# Altium PCB Leptons PCB 2.PcbDoc
Units mil, origin at the board's own origin, x right, y up, seen from the top; angles counter-clockwise.
Board outline 3235 x 2045 mil, 2 copper layers (Top Layer, Bottom Layer); 21 components, 18 nets, 79 pads, 0 vias.
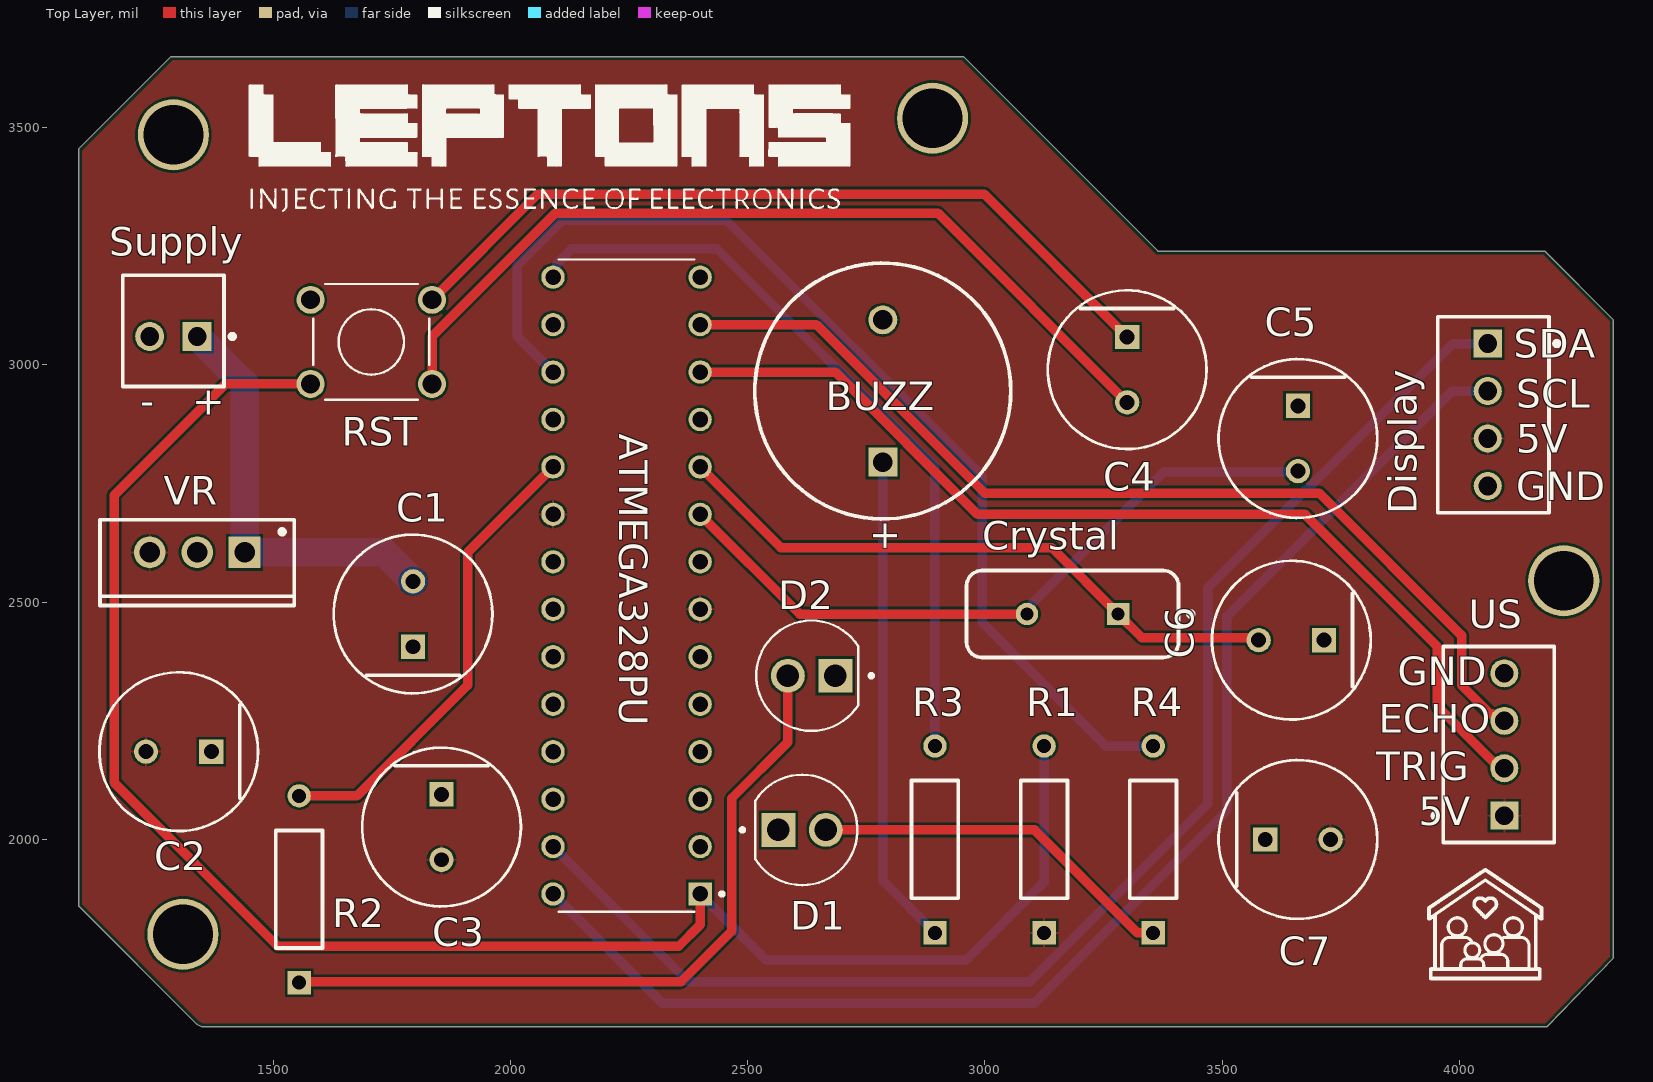
[diagram p0: Top Layer view]
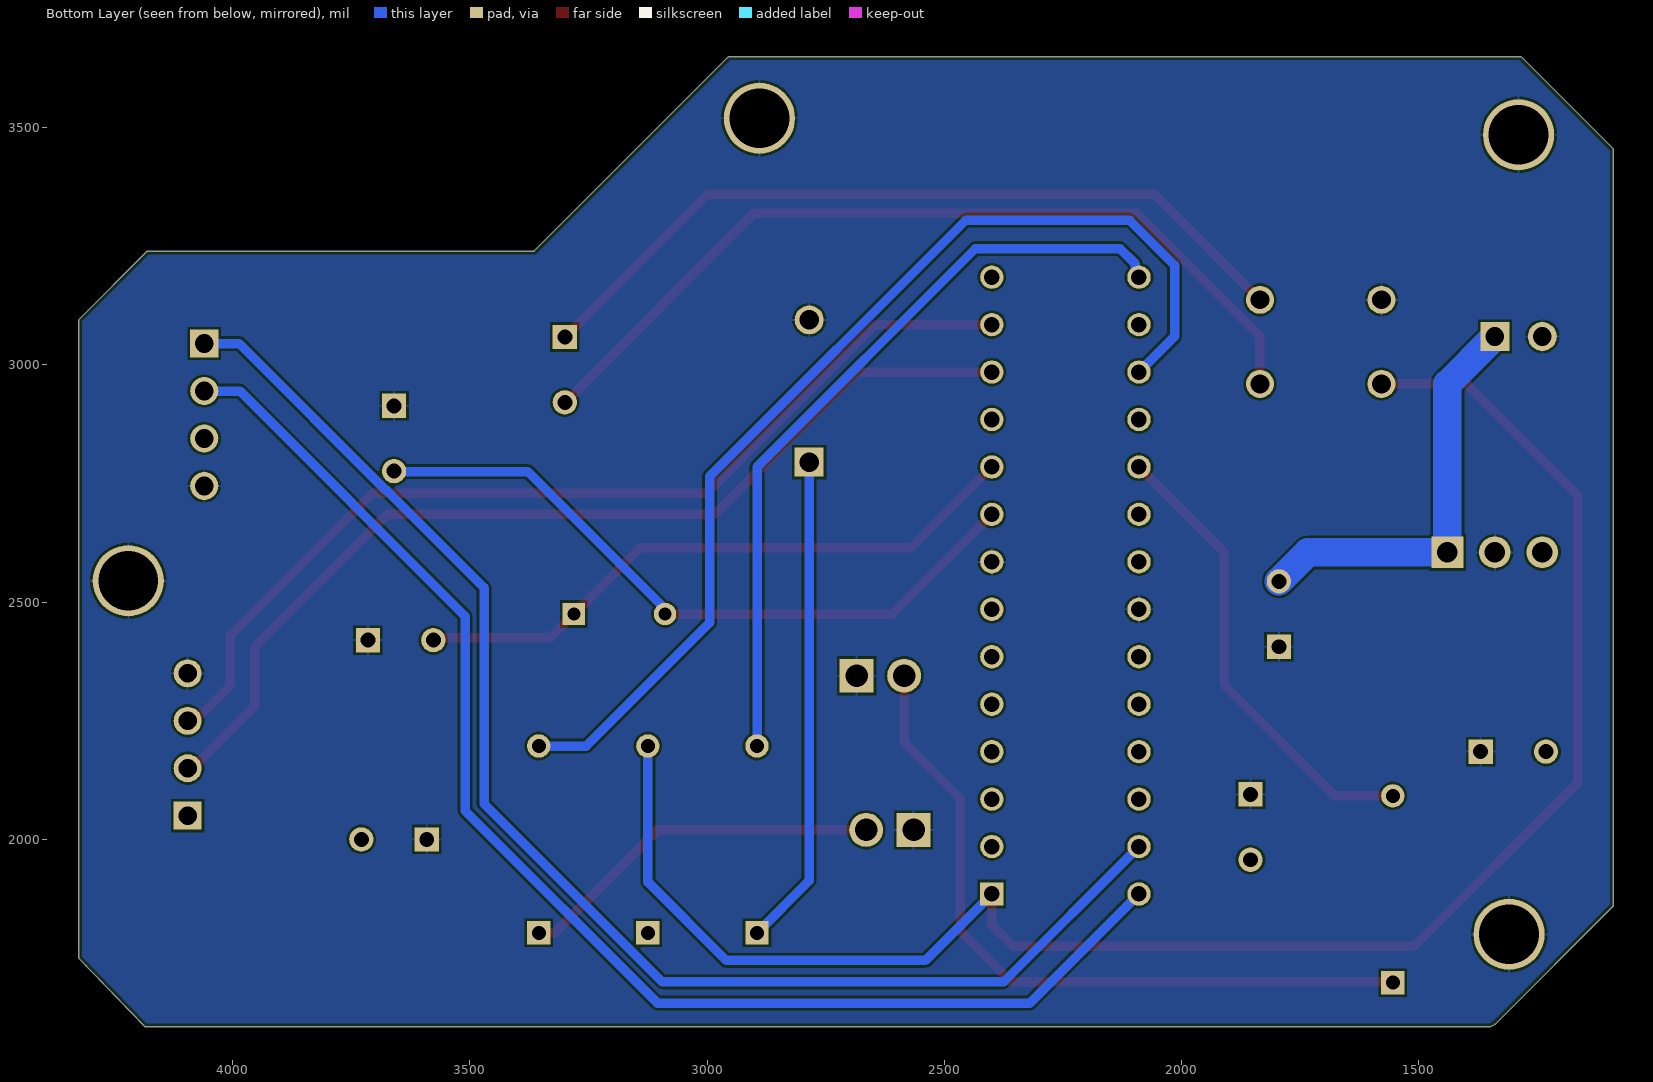
[diagram p1: Bottom Layer view, seen from below]
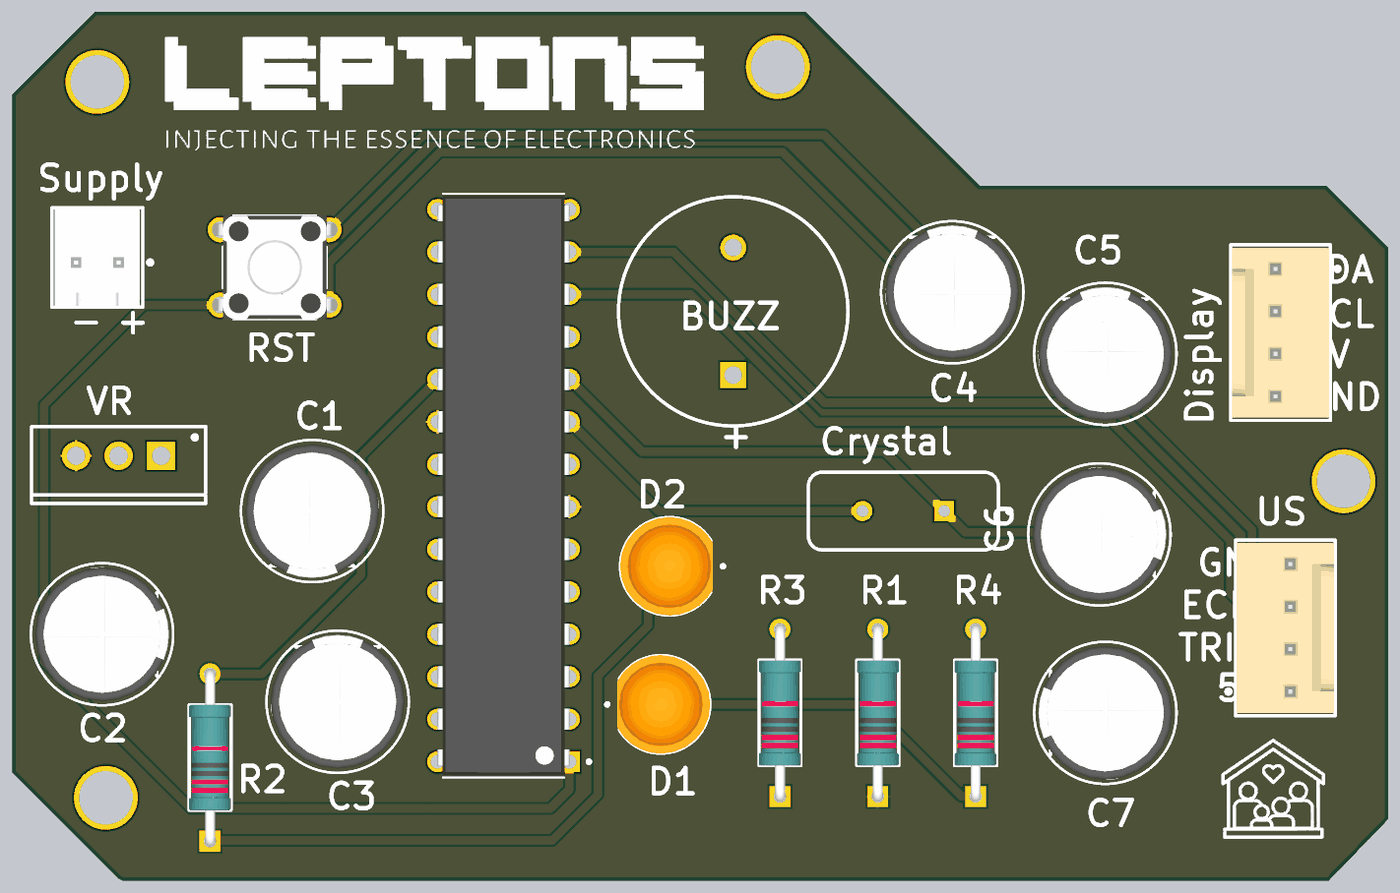
[diagram p2: 3D render of the assembled board from above, using the file's embedded part models]

## Layer stack, top to bottom
Top Solder: solder mask 0.4, Solder Resist, Dk 3.5
Top Layer: signal copper 1.4
Dielectric 1: dielectric 12.6, FR-4, Dk 4.8
Bottom Layer: signal copper 1.4
Bottom Solder: solder mask 0.4, Solder Resist, Dk 3.5

## Board outline
1090,1860 1340,1610 1350,1605 4185,1605 4325,1750 4325,3095 4180,3240 3365,3240 2955,3650 1285,3650 1090,3455

## Design rules (kind name [scope] priority, off if disabled: settings)
BoardOutlineClearance [All] p1: gap=7.87 ignorepadtopadclearanceinfootprint=FALSE
Clearance [All] p1: gap=5 ignorepadtopadclearanceinfootprint=FALSE except(9.84: Arc-Hole Track-Hole SMDPad-Hole THPad-Hole Via-Hole Fill-Hole Poly-Hole Region-Hole Text-Hole)
ComponentClearance [All] p1: gap=5 collisioncheckmode=3 verticalgap=5 showdistances=TRUE
DiffPairsRouting [All] p1: maxlimit=10 minlimit=5 mostfreqgap=5 toplayer_minwidth=5 toplayer_maxwidth=1000 toplayer_prefwidth=5 bottomlayer_minwidth=5 bottomlayer_maxwidth=1000 bottomlayer_prefwidth=5 maxuncoupledlength=500
Height [All] p1: minheight=0 maxheight=71497.94 prefheight=500
HoleSize [All] p1: absolutevalues=TRUE maxlimit=248.03 minlimit=11.81 maxpercent=80.000 minpercent=20.000
HoleToHoleClearance [All] p1: gap=9.84 allowstackedmicrovias=FALSE
MinimumAnnularRing [All] p1: minimumring=3
MinimumSolderMaskSliver [All] p1: minsoldermaskwidth=0
PlaneClearance [All] p1: clearance=5
PlaneConnect PlaneConnectPowerPads [InPadClass('PowerPads')] p1: planeconnectstyle=Direct reliefexpansion=20 reliefentries=4 reliefconductorwidth=10 reliefairgap=10
PlaneConnect [All] p2: pad.planeconnectstyle=Relief pad.reliefexpansion=11.81 pad.reliefentries=4 pad.reliefconductorwidth=5 pad.reliefairgap=5 via.planeconnectstyle=Direct via.reliefexpansion=11.81 via.reliefentries=4 via.reliefconductorwidth=5 via.reliefairgap=5
PolygonConnect PolygonConnectPowerPads [All vs (InPadClass('PowerPads'))] p1: connectstyle=Direct reliefconductorwidth=10 reliefentries=4 polygonreliefangle="90 Angle" airgapwidth=10
PolygonConnect [All] p2: thpad.connectstyle=Relief thpad.reliefconductorwidth=5 thpad.reliefentries=4 thpad.polygonreliefangle="90 Angle" thpad.airgapwidth=5 smdpad.connectstyle=Relief smdpad.reliefconductorwidth=5 smdpad.reliefentries=4 smdpad.polygonreliefangle="90 Angle" smdpad.airgapwidth=5 via.connectstyle=Direct via.reliefconductorwidth=5 via.reliefentries=4 via.polygonreliefangle="90 Angle" via.airgapwidth=5
RoutingVias [All] p1: holewidth=11.81 width=23.62 viastyle="Through Hole" minholewidth=11.81 minwidth=23.62 maxholewidth=23.62 maxwidth=259.84
SilkToSilkClearance [All] p1: silktosilkclearance=0
SilkToSolderMaskClearance [IsPad] p1: minsilkscreentomaskgap=5 clearancetoexposedcopper=TRUE
SolderMaskExpansion [All] p1: expansion=2.95 istentingtop=FALSE
Width [All] p1: maxlimit=1000 minlimit=5 preferedwidth=5 minimp=50.000000 maximp=50.000000 favimp=50.000000
20 further rules are at their usual default settings.

## Components (designator, comment, footprint, x,y, rotation, side; value= is the part's Value field where it differs from the comment)
ATMEGA328PU "ATMEGA328-PU" DIP787W46P254L3467H508Q28 2245,2535 r180 top
BUZZ "KPEG242" KINGS-KPEG242-2 2785,2945 r90 top
C1 "EEUFR1E391L" FP-RAD-TH-D_8_0_5-L_15_1-MFG 1795,2475 r90 top
C2 "EEUFR1E391L" FP-RAD-TH-D_8_0_5-L_15_1-MFG 1301.1,2185 r180 top
C3 "EEUFR1E391L" FP-RAD-TH-D_8_0_5-L_15_1-MFG 1855,2026.1 r270 top
C4 "EEUFR1E391L" FP-RAD-TH-D_8_0_5-L_15_1-MFG 3300,2990 r270 top
C5 "EEUFR1E391L" FP-RAD-TH-D_8_0_5-L_15_1-MFG 3660,2845 r270 top
C6 "EEUFR1E391L" FP-RAD-TH-D_8_0_5-L_15_1-MFG 3646.1,2420 r180 top
C7 "EEUFR1E391L" FP-RAD-TH-D_8_0_5-L_15_1-MFG 3660,2000 r0 top
Crystal "FOXSLF/160-20" FOX-FOXSLF160-20 3185,2475 r180 top
D1 "L08R5000Q1" LEDRD254W57D500H1070 2635,2345 r180 top
D2 "L08R5000Q1" LEDRD254W57D500H1070 2615,2020 r0 top
Display "61900411121" 61900411121 4071.81,2895 r90 top
R1 "MBB02070C1002FCT00" FP-MBB0207-MFG 3125,2000 r90 top
R2 "MBB02070C1002FCT00" FP-MBB0207-MFG 1555,1895 r90 top
R3 "MBB02070C1002FCT00" FP-MBB0207-MFG 2895,2000 r90 top
R4 "MBB02070C1002FCT00" FP-MBB0207-MFG 3355,2000 r90 top
RST "430186070716" 430186070716 1707.05,3048.58 r180 top
Supply "61900211121" FP-61900211121-MFG 1290,3071.81 r180 top
US "61900411121" 61900411121 4083.19,2200 r270 top
VR "L7805CV" TO220 1340,2605 r180 top

## Footprints (in the part's own frame and the unit in brackets; to place one, negate y for a bottom-side part, rotate by r counter-clockwise, add the part's x,y. Pads: shape width x height; smd on the part's side, far side on the other; paste and mask are expansions set on the pad)
61900411121 [mm] "2.54mm Male Locking Header, 4p"
  rect 1.5x1.5 hole 1: 1(3.81,0.3)
  round 1.5 hole 1: 2(1.27,0.3) 3(-1.27,0.3) 4(-3.81,0.3)
  silkscreen extent -5.25,-3.52 5.25,2.98, body extent -5.08,-2.9 5.08,2.9, height 11.53
430186070716 [mm] "6*6mm vertical type, THT, height 7.0mm, black actuator, 160gf, Bulk"
  round 1.5 hole 1: 1(-3.25,2.25) 2(-3.25,-2.25) 3(3.25,2.25) 4(3.25,-2.25)
  silkscreen extent -3.1,-3.1 3.1,3.1, body extent -3.95,-3.1 3.95,3.1, height 7.01
DIP787W46P254L3467H508Q28 [mm]
  rect 1.25x1.25 / inner round 1.25 / far side rect 1.25x1.25 hole 0.83: 1(-3.937,16.51)
  round 1.25 hole 0.83: 2(-3.937,13.97) 3(-3.937,11.43) 4(-3.937,8.89) 5(-3.937,6.35) 6(-3.937,3.81) 7(-3.937,1.27) 8(-3.937,-1.27) 9(-3.937,-3.81) 10(-3.937,-6.35) 11(-3.937,-8.89) 12(-3.937,-11.43) 13(-3.937,-13.97) 14(-3.937,-16.51) 15(3.937,-16.51) 16(3.937,-13.97) 17(3.937,-11.43) 18(3.937,-8.89) 19(3.937,-6.35) 20(3.937,-3.81) 21(3.937,-1.27) 22(3.937,1.27) 23(3.937,3.81) 24(3.937,6.35) 25(3.937,8.89) 26(3.937,11.43) 27(3.937,13.97) 28(3.937,16.51)
  silkscreen extent -5.2,-17.45 3.62,17.45, body extent -3.95,-17.34 3.95,17.34, height 4.57
FOX-FOXSLF160-20 [mm] "THD, 2-Leads, Body 11.35x4.65mm"
  rect 1.2x1.2 hole 0.7: 1(-2.44,0)
  round 1.2 hole 0.7: 2(2.44,0)
  silkscreen extent -6.45,-2.32 5.68,2.32, body extent -5.67,-2.32 5.68,2.33, height 3.6
FP-61900211121-MFG [mm]
  rect 1.55x1.55 hole 1 paste-1000 mask+0: 1(-1.27,0.3)
  round 1.55 hole 1 paste-1000 mask+0: 2(1.27,0.3)
  silkscreen extent -3.27,-2.98 2.71,2.98, body extent -2.81,-3.08 2.81,3.08, height 0.25
FP-MBB0207-MFG [mm]
  rect 1.25x1.25 hole 0.75 paste-1000 mask+0: 1(-5,0)
  round 1.25 hole 0.75 paste-1000 mask+0: 2(5,0)
  silkscreen extent -3.15,-1.25 3.15,1.25, body extent -5.72,-1.35 5.72,1.35, height 0.25
FP-RAD-TH-D_8_0_5-L_15_1-MFG [mm]
  rect 1.3x1.3 hole 0.8 paste-1000 mask+0: 1(-1.75,0)
  round 1.3 hole 0.8 paste-1000 mask+0: 2(1.75,0)
  silkscreen extent -4.25,-4.25 4.25,4.25, body extent -4.35,-4.35 4.35,4.35, height 0.25
KINGS-KPEG242-2 [mm] "THD, 2-Leads, Dia 13.7mm, Pitch 7.62mm"
  rect 1.55x1.55 hole 1.05: 1(-3.81,0)
  round 1.55 hole 1.05: 2(3.81,0)
  silkscreen extent -6.85,-6.85 6.85,6.85, body extent -6.85,-6.85 6.85,6.85, height 7.6
LEDRD254W57D500H1070 [mm]
  round 1.815 hole 1.21: A(1.27,0)
  rect 1.815x1.815 / inner round 1.815 / far side rect 1.815x1.815 hole 1.21: C(-1.27,0)
  silkscreen extent -3.3,-2.96 2.96,2.96, body extent -2.6,-2.95 2.95,2.95, height 9.1
TO220 [mm] "TO, Thru-Hole, Vertical, Heatsink Mounted; 3 In-Line Leads; Pitch 2.54 mm"
  rect 1.7x1.7 hole 1.1: 1(-2.54,0)
  round 1.7 hole 1.1: 2(0,0) 3(2.54,0)
  silkscreen extent -5.2,-1.75 5.2,2.85, body extent -5.25,-1.8 5.25,2.9, height 19.7

## Part data
ATMEGA328PU: "AVR AVRÂ® ATmega Microcontroller IC 8-Bit 20MHz 32KB (16K x 16) FLASH 28-PDIP", Package="DIP-28 Microchip Technology", Availability="In Stock", Check_prices=https://www.snapeda.com/parts/ATMEGA328-PU/Microchip/view-part/?ref=eda, MF=Microchip, MP=ATMEGA328-PU, Price=None, Purchase-URL=https://pricing.snapeda.com/search/part/ATMEGA328-PU/?ref=eda, SnapEDA_Link=https://www.snapeda.com/parts/ATMEGA328-PU/Microchip/view-part/?ref=snap
BUZZ: library part CMP-2000-06518-1, "Piezo Indicator, 4100 Hz, 3 to 16 V, -20 to 70 degC, 2-Pin THD, RoHS", Current - Max=7A, Frequency Range=3600to4600Hz, Manufacturer=KingstateElectronicsCorp., Maximum Resonant Frequency=4600Hz, Maximum Supply Current=7mA, Operating temperature=-20to70°C, Package Description="2-Pin Through Hole Device, Body Dia 13.7 mm, Pitch 7.62 mm", PartNumber=KPE-242, Typical Operating Supply Voltage=12Vdc, Category=AudioIndicatorsandAlerts, Datasheet URL=https://datasheet.ciiva.com/11776/0900766b8068f3a2-11776713.pdf, Datasheet Version=01/2006, Manufacturer URL=http://www.kingstate.com.tw/index.php/en/, Minimum Sound Pressure=70dBA, Mounting=ThroughHole, Mounting Technology=ThroughHole, Package Reference=KPEG242, Product Diameter=13.7mm, Product Height=7.6mm, Technology=Piezo, Termination Method=Pin, Tone Mode=Continuous, Type=Indicator
C1 C2 C3 C4 C5 C6 C7: library part CMP-05427-000460-1, "Aluminum Electrolytic Capacitors (Radial Lead Type) 390uF ±20% 25V", Capacitance=390uF, Case/Package=Radial, Dielectric Material=Aluminium, ESR (Equivalent Series Resistance)=41mR, Max Operating Temperature=105°C, Min Operating Temperature=-40°C, Package Quantity=200, Ripple Current=1.24A, Tolerance=20%, Voltage=25V, Construction=RADIAL, Diameter=8mm, Height=15mm, Height - Seated (Max)=0.65inch, Impedance=41mR, Lead Diameter=0.6mm, Lead Pitch=3.5mm, Length=15mm, Life (Hours)=8000Hour, Mount="Through Hole", Number of Pins=2, Packaging=Bulk, Radiation Hardening=No, REACH SVHC="No SVHC", Ripple Current (AC)=1.24A, RoHS Compliant=Yes, Series=FR, Termination=Radial, Voltage Rating=25V, Voltage Rating (DC)=25V
Crystal: library part CMP-1749-00003-1, "Resistance Weld Thru-Hole Crystal, 16 MHz, -20 to 70 degC, 2-Pin THD, RoHS, Bulk", Case\Package=Axial, Max Operating Temperature="155 degC", Min Operating Temperature="-55 degC", Package Quantity=200, Power Rating="250 mW", Resistance="221 kohm", Tolerance=1%, Voltage Rating="250 V", ComponentLink1Description="Manufacturer URL", ComponentLink1URL=http://www.foxonline.com/, ComponentLink2Description=Datasheet, ComponentLink2URL=http://www.foxonline.com/pdfs/hc49slf.pdf, DatasheetVersion=Mar-15, Length="0.248 inch", Mount="Through Hole", PackageDescription="2-Pin Through Hole Device, Body 11.35 x 4.65 mm", PackageReference=FOXSLF160-20, Packaging=Bulk, RoHSCompliant=true
D1 D2: "LED, 5MM, ORANGE; LED / Lamp Size: 5mm / T-1 3/4; LED Colour: Orange; Typ Luminous Intensity: 4.3mcd; Viewing Angle: ...", Package=None, Availability="In Stock", Check_prices=https://www.snapeda.com/parts/L08R5000Q1/LED+Technology/view-part/?ref=eda, MF="LED Technology", MP=L08R5000Q1, Price=None, SnapEDA_Link=https://www.snapeda.com/parts/L08R5000Q1/LED+Technology/view-part/?ref=snap
Display US: library part CMP-1502-00586-1, "Male Locking Header WR-WTB, THT, Vertical, pitch 2.54 mm, 1 x 4 position", Contact Resistance=20mOhm, Manufacturer="Wurth Elektronik", Operating temperature=-40to105degC, Working Voltage=250VAC, Datasheet URL=https://katalog.we-online.de/em/datasheet/6190xx11121.pdf, Gender=Male, Manufacturer URL=http://www.we-online.de, Mounting Technology=THT, Orientation=Vertical, Package Reference=61900411121, Packaging=Bag, Part Number=61900411121, Pitch=2.54mm, Position=1x4, Publisher=WurthElektronik
R1 R2 R3 R4: library part CMP-02408-000035-1, "RES 10K OHM 0.6W 1% AXIAL", Case/Package=Conformal, Max Operating Temperature=155°C, Max Power Dissipation=600mW, Min Operating Temperature=-55°C, Resistance=10kR, Resistance Tolerance=1%, Resistor Type="Metal Film", Temperature Coefficient=50ppm/°C, Voltage Rating=300V, Construction=Cylindrical, Contact Plating=Tin, Diameter=2.5mm, Features="Automotive AEC-Q200", Lead Free="Lead Free", Length=6.5mm, Military Standard=Not, Number of Terminations=2, Packaging="Tape and Reel", Power Rating=600mW, Radiation Hardening=No, RoHS Compliant=Yes, Series="MBB 0207 - Professional", Technology="THIN FILM", Termination=Axial, Tolerance=1%, Voltage Rating (DC)=300V
RST: library part CMP-1453-00013-1, "WS-TATV THT Tact Switch 6X6 mm", Manufacturer="Wuerth Elektronik", ComponentLink1Description="Manufacturer URL", ComponentLink1URL=http://www.we-online.com, ComponentLink2Description=Datasheet, ComponentLink2URL=http://katalog.we-online.de/em/datasheet/4301x6.pdf, NoPins=04, PackageReference=430186070716, PartNumber=430186070716
Supply: library part CMP-1502-00584-2, "CONN HEADER VERT 2POS 2.54MM", Color=Beige, Current Rating=3A, Flammability Rating="UL94 V-0", Insulation Resistance=1GR, Max Operating Temperature=105°C, Min Operating Temperature=-40°C, Package Quantity=1000, Voltage Rating=250V, Connector Type=Header, Contact Finish - Mating=TIN, Contact Gender=Male, Contact Material="Copper Alloy", Contact Mating Length=0.295inch, Contact Plating=Tin, Contact Shape=Square, Contact Type="Male Pin", Fastening Type=Friction, Gender=Male, Height=14.2mm, Housing Material=Nylon, Insulation Color=Beige, Insulation Material=Nylon, Length=5.8mm, Mount="Through Hole", Number of Contacts=2, Number of Positions=2, Number of Rows=1, Packaging=Bulk, Pitch=2.54mm, RoHS Compliant=Yes, Series=WR-WTB, Termination="Through Hole", Width=5.12mm
VR: library part CMP-0244-00483-1, "Positive Voltage Regulator, 5V, 3-Pin TO-220", ComponentLink1Description="Manufacturer URL", ComponentLink1URL=http://www.st.com, ComponentLink2Description=Datasheet, ComponentLink2URL=http://www.st.com/internet/com/TECHNICAL_RESOURCES/TECHNICAL_LITERATURE/DATASHEET/CD00000444.pdf, ComponentLink3Description="Package Specification", ComponentLink3URL=http://www.st.com/internet/com/TECHNICAL_RESOURCES/TECHNICAL_LITERATURE/PACKAGE_INFORMATION/CD00004649.pdf, DatasheetVersion=16/11/2011, PackageDescription="TO, Thru-Hole, Vertical, Heatsink Mounted; 3 In-Line Leads; Pitch 2.54 mm", PackageReference=TO220, PackageVersion=ver3.0

## Free pads (board coordinates)
  round 150 hole 125.98: 2(4220,2545) 3(1290,3485) 4(1310,1800) 5(2890,3520)

## Nets (pads, with @x,y where several pads share a name; then routed paths per layer and width w, separated by ;. In a path a pad name is that pad's centre, name@x,y a point inside that pad or via, vN(x,y) a via of type N, cw(c..) or ccw(c..) an arc to the next point about the centre after c; other vN are vias at no path point)
5V: ATMEGA328PU.7 ATMEGA328PU.20 C2.2 C3.2 C7.2 Display.3 R1.1 US.1 VR.3
9V: C1.2 Supply.1 VR.1 | length 876.7
  Bottom Layer w60: Supply.1 1440,2960 VR.1 1733.9,2605 C1.2
D9: ATMEGA328PU.15 R3.2 | length 1620.3
  Bottom Layer w20: ATMEGA328PU.15 2097.5,3192.5 2097.5,3212.5 2130,3245 2435,3245 2895,2785 R3.2
D11: ATMEGA328PU.17 R4.2 | length 2275
  Bottom Layer w20: ATMEGA328PU.17 2015,3060 2015,3210 2110,3305 2455,3305 2995,2765 2995,2456.66 3254.81,2196.85 R4.2
D13: ATMEGA328PU.19 R2.2 | length 986.1
  Top Layer w20: R2.2 1676.85,2091.85 1910,2325 1910,2605 ATMEGA328PU.19
ECHO: ATMEGA328PU.13 US.3 | length 2102.4
  Top Layer w20: ATMEGA328PU.13 2645,3085 3000,2730 3705,2730 4005,2430 4005,2325 4065.41,2264.59 4069.84,2264.59 4084.43,2250 US.3
GND: ATMEGA328PU.8 ATMEGA328PU.22 BUZZ.2 C1.1 C2.1 C3.1 C5.1 C6.1 C7.1 D1.C D2.C Display.4 pad.2 pad.3 pad.4 pad.5 RST.4 Supply.2 US.4 VR.2
NetATMEGA328PU_9: ATMEGA328PU.9 C5.2 Crystal.2 | length 1466.7
  Top Layer w20: ATMEGA328PU.9 2610,2475 Crystal.2
  Bottom Layer w20: Crystal.2@3088.94,2486.06 3377.87,2775 C5.2@3660,2775
NetATMEGA328PU_10: ATMEGA328PU.10 C6.2 Crystal.1 | length 1344.1
  Top Layer w20: ATMEGA328PU.10 2405,2790 2405,2780 2570,2615 3141.06,2615 Crystal.1 3331.06,2425 C6.2@3585,2425
NetBUZZ_1: BUZZ.1 R3.1 | length 1037.4
  Bottom Layer w20: BUZZ.1 2785,1913.15 R3.1
NetC4_1: C4.1 RST.2 | length 1682
  Top Layer w20: RST.2 2057.83,3360 2998.9,3360 C4.1
NetC4_2: C4.2 RST.1 | length 1837.9
  Top Layer w20: RST.1 1835,3060 2095,3320 2901.1,3320 C4.2
NetD1_A: D1.A R2.1 | length 1544
  Top Layer w20: R2.1 1556.85,1700 2360,1700 2466.62,1806.62 2466.62,2086.62 2585,2205 D1.A
NetD2_A: D2.A R4.1 | length 779.8
  Top Layer w20: D2.A 3105,2020 3321.85,1803.15 R4.1
RST: ATMEGA328PU.1 R1.2 RST.3 | length 3716.2
  Top Layer w20: RST.3 1400,2960 1165,2725 1165,2120 1510,1775 2355,1775 2400,1820 ATMEGA328PU.1
  Bottom Layer w20: ATMEGA328PU.1 2540,1745 2960,1745 3125,1910 R1.2
SCL: ATMEGA328PU.28 Display.2 | length 2839.8
  Bottom Layer w20: ATMEGA328PU.28 2320,1655 3105,1655 3510,2060 3510,2470 3985,2945 Display.2
SDA: ATMEGA328PU.27 Display.1 | length 2916.7
  Bottom Layer w20: ATMEGA328PU.27 2375,1700 3095,1700 3470,2075 3470,2530 3675.51,2735.51 3676.81,2735.51 3986.3,3045 Display.1@4065,3045
TRIG: ATMEGA328PU.12 US.2 | length 2114.1
  Top Layer w20: ATMEGA328PU.12 2685,2985 2985,2685 3675,2685 3953.63,2406.37 3953.63,2281.37 4085,2150 US.2
pads on no net: ATMEGA328PU.2 ATMEGA328PU.3 ATMEGA328PU.4 ATMEGA328PU.5 ATMEGA328PU.6 ATMEGA328PU.11 ATMEGA328PU.14 ATMEGA328PU.16 ATMEGA328PU.18 ATMEGA328PU.21 ATMEGA328PU.23 ATMEGA328PU.24 ATMEGA328PU.25 ATMEGA328PU.26

## Polygon pours and split planes (outlines as drawn)
GND on Bottom Layer "NONET_L-01_P-001" (solid, pour order 1): 899.4,3650.6 1090,3460 1090,1605 4285,1605 4370,1690 4370,3645.19
5V on Top Layer "NONET_L-01_P-001" (solid, pour order 0): 895,3650 4465,3650 4465,1435 4290,1610 1080,1610 1080,3445 1090,3455

## Silkscreen, mask and mechanical layers (free items; w line width, h text height)
Top Overlay:
  drawing of 41 lines, arcs and shapes, not listed
  text "SDA" at 4115,3015 h60
  text "SCL" at 4120,2910 h60
  text "-" at 1220,2895.01 h60
  text "+" at 1330,2895 h60
  text "5V" at 4120,2815 h60
  text "GND" at 4120,2715 h60
  text "GND" at 3870,2325 h60
  text "ECHO" at 3830,2225 h60
  text "TRIG" at 3825,2125 h60
  text "5V" at 3915,2030 h60
Top 3D Body:
  lines w10: 1085,1860 1085,3450 1285,3650 2955,3650 3365,3240 4185,3240 4325,3100 4325,1745 4185,1605 1340,1605 1085,1860

## Text inside footprints (layer, text, board x,y; h text height)
BUZZ: Top Overlay "+" at 2815,2605 h60 r90